# Altium PCB GameBoard_V1I1.PcbDoc (part 1 of 22) (continued)
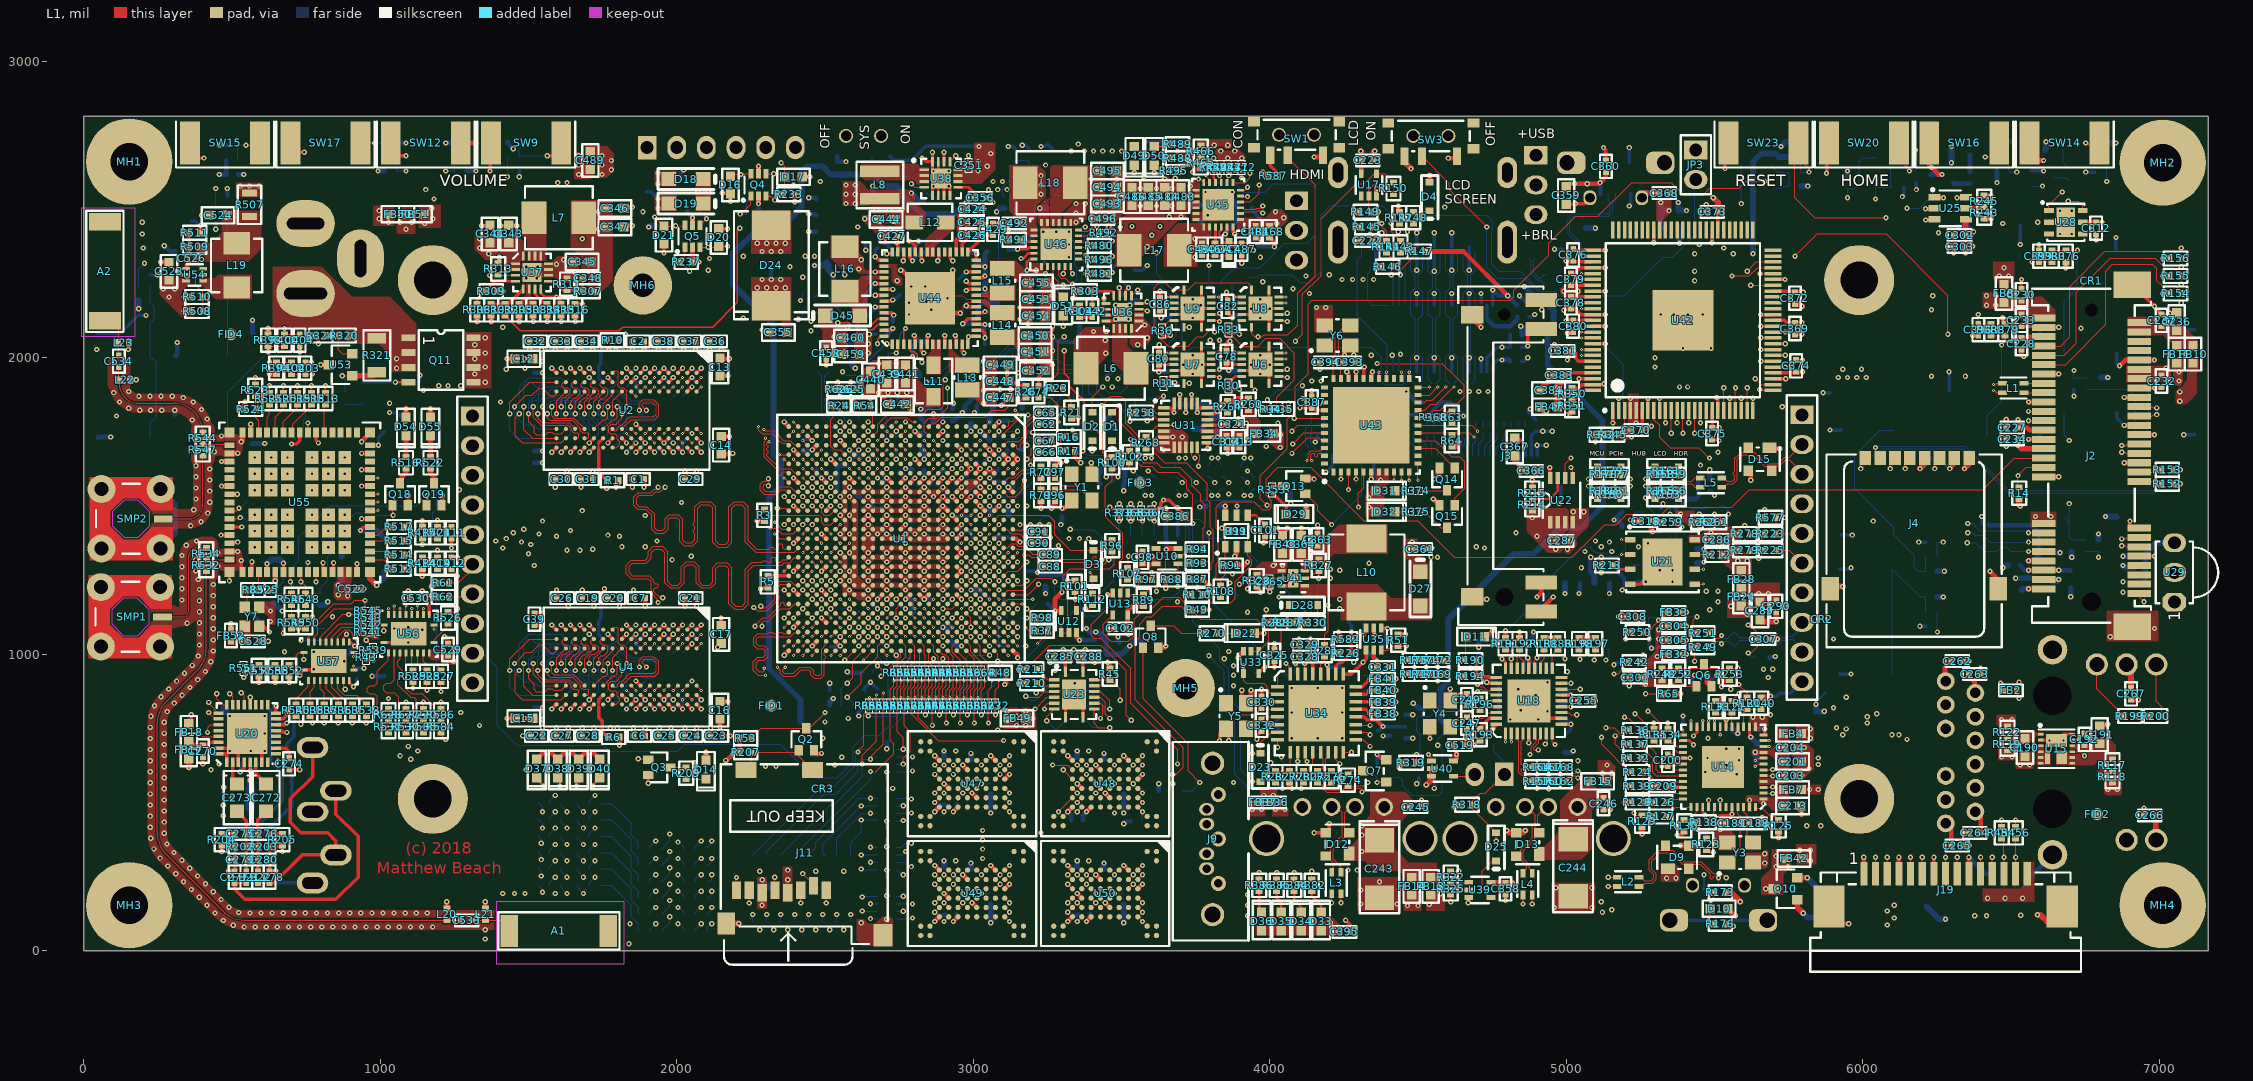
[diagram p0: L1 view]
## Design rules (kind name [scope] priority, off if disabled: settings) (continued)
ComponentClearance SDI_DATA3 [InComponent('R597') vs InComponent('R598')] p64: gap=0 collisioncheckmode=3 verticalgap=0 showdistances=FALSE
ComponentClearance SDI_CMD [InComponent('R599') vs InComponent('R600')] p65: gap=0 collisioncheckmode=3 verticalgap=0 showdistances=FALSE
ComponentClearance SDI_CLK [InComponent('R602') vs InComponent('R601')] p66: gap=0 collisioncheckmode=3 verticalgap=0 showdistances=FALSE
ComponentClearance SD2_DATA0 [InComponent('R603') vs InComponent('R604')] p67: gap=0 collisioncheckmode=3 verticalgap=0 showdistances=FALSE
ComponentClearance SD2_DATA1 [InComponent('R605') vs InComponent('R606')] p68: gap=0 collisioncheckmode=3 verticalgap=0 showdistances=FALSE
ComponentClearance SD2_DATA2 [InComponent('R607') vs InComponent('R608')] p69: gap=0 collisioncheckmode=3 verticalgap=0 showdistances=FALSE
ComponentClearance SD2_DATA3 [InComponent('R609') vs InComponent('R610')] p70: gap=0 collisioncheckmode=3 verticalgap=0 showdistances=FALSE
ComponentClearance SD2_CMD [InComponent('R611') vs InComponent('R612')] p71: gap=0 collisioncheckmode=3 verticalgap=0 showdistances=FALSE
ComponentClearance SD2_CLK [InComponent('R613') vs InComponent('R614')] p72: gap=0 collisioncheckmode=3 verticalgap=0 showdistances=FALSE
ComponentClearance SD2_WP [InComponent('R620') vs InComponent('R621')] p73: gap=0 collisioncheckmode=3 verticalgap=0 showdistances=FALSE
DiffPairsRouting DiffPairsRouting_90Ohm [InDifferentialPairClass('DIFF90')] p1: maxlimit=4.72 minlimit=3.94 mostfreqgap=3.94 toplayer_mingap=4.33 toplayer_prefgap=4.72 toplayer_minwidth=3.74 toplayer_maxwidth=3.74 toplayer_prefwidth=3.74 midlayer1_maxgap=4.33 midlayer1_prefgap=4.33 midlayer1_minwidth=3.54 midlayer1_maxwidth=3.54 midlayer1_prefwidth=3.54 midlayer2_maxgap=3.94 midlayer2_minwidth=3.94 midlayer2_maxwidth=3.94 midlayer2_prefwidth=3.94 midlayer3_maxgap=3.94 midlayer3_minwidth=3.94 midlayer3_maxwidth=3.94 midlayer3_prefwidth=3.94 midlayer4_maxgap=4.33 midlayer4_prefgap=4.33 midlayer4_minwidth=3.54 midlayer4_maxwidth=3.54 midlayer4_prefwidth=3.54 midlayer5_maxgap=3.94 midlayer5_minwidth=3.94 midlayer5_maxwidth=3.94 midlayer5_prefwidth=3.94 midlayer6_maxgap=3.94 midlayer6_minwidth=3.94 midlayer6_maxwidth=3.94 midlayer6_prefwidth=3.94 midlayer7_maxgap=3.94 midlayer7_minwidth=3.94 midlayer7_maxwidth=3.94 midlayer7_prefwidth=3.94 midlayer8_maxgap=3.94 midlayer8_minwidth=3.94 midlayer8_maxwidth=3.94 midlayer8_prefwidth=3.94 bottomlayer_mingap=4.33 bottomlayer_prefgap=4.72 bottomlayer_minwidth=3.74 bottomlayer_maxwidth=3.74 bottomlayer_prefwidth=3.74 maxuncoupledlength=0
DiffPairsRouting DiffPairsRouting_100Ohm [InDifferentialPairClass('DIFF100')] p2: maxlimit=7.68 minlimit=3.94 mostfreqgap=3.94 toplayer_mingap=6.5 toplayer_maxgap=6.5 toplayer_prefgap=6.5 toplayer_minwidth=3.35 toplayer_maxwidth=3.35 toplayer_prefwidth=3.35 midlayer1_mingap=7.68 midlayer1_prefgap=7.68 midlayer1_minwidth=3.35 midlayer1_maxwidth=3.35 midlayer1_prefwidth=3.35 midlayer2_maxgap=3.94 midlayer2_minwidth=3.94 midlayer2_maxwidth=3.94 midlayer2_prefwidth=3.94 midlayer3_maxgap=3.94 midlayer3_minwidth=3.94 midlayer3_maxwidth=3.94 midlayer3_prefwidth=3.94 midlayer4_mingap=7.68 midlayer4_prefgap=7.68 midlayer4_minwidth=3.35 midlayer4_maxwidth=3.35 midlayer4_prefwidth=3.35 midlayer5_maxgap=3.94 midlayer5_minwidth=3.94 midlayer5_maxwidth=3.94 midlayer5_prefwidth=3.94 midlayer6_maxgap=3.94 midlayer6_minwidth=3.94 midlayer6_maxwidth=3.94 midlayer6_prefwidth=3.94 midlayer7_maxgap=3.94 midlayer7_minwidth=3.94 midlayer7_maxwidth=3.94 midlayer7_prefwidth=3.94 midlayer8_maxgap=3.94 midlayer8_minwidth=3.94 midlayer8_maxwidth=3.94 midlayer8_prefwidth=3.94 bottomlayer_mingap=6.5 bottomlayer_maxgap=6.5 bottomlayer_prefgap=6.5 bottomlayer_minwidth=3.35 bottomlayer_maxwidth=3.35 bottomlayer_prefwidth=3.35 maxuncoupledlength=0
DiffPairsRouting [All] p3: maxlimit=3.94 minlimit=3.94 mostfreqgap=3.94 toplayer_minwidth=3.94 toplayer_maxwidth=3.94 toplayer_prefwidth=3.94 midlayer1_minwidth=3.94 midlayer1_maxwidth=3.94 midlayer1_prefwidth=3.94 midlayer2_minwidth=3.94 midlayer2_maxwidth=3.94 midlayer2_prefwidth=3.94 midlayer3_minwidth=3.94 midlayer3_maxwidth=3.94 midlayer3_prefwidth=3.94 midlayer4_minwidth=3.94 midlayer4_maxwidth=3.94 midlayer4_prefwidth=3.94 midlayer5_minwidth=3.94 midlayer5_maxwidth=3.94 midlayer5_prefwidth=3.94 midlayer6_minwidth=3.94 midlayer6_maxwidth=3.94 midlayer6_prefwidth=3.94 midlayer7_minwidth=3.94 midlayer7_maxwidth=3.94 midlayer7_prefwidth=3.94 midlayer8_minwidth=3.94 midlayer8_maxwidth=3.94 midlayer8_prefwidth=3.94 bottomlayer_minwidth=3.94 bottomlayer_maxwidth=3.94 bottomlayer_prefwidth=3.94 maxuncoupledlength=500
HoleSize [All] p1: absolutevalues=TRUE maxlimit=236.22 minlimit=1 maxpercent=80.000 minpercent=20.000
HoleToHoleClearance [All] p1: gap=3.94 allowstackedmicrovias=TRUE
MatchedLengths UART3 [InNetClass('UART3')] p1: tolerance=10 checknetsindiffpair=FALSE checkdiffpairvsdiffpair=TRUE checkxsignals=TRUE checkothers=TRUE
MatchedLengths SD1 [InNetClass('SD1')] p2: tolerance=10 checknetsindiffpair=FALSE checkdiffpairvsdiffpair=TRUE checkxsignals=TRUE checkothers=TRUE
MatchedLengths SD1_BOOT [InNetClass('SD1_BOOT')] p3: tolerance=10 checknetsindiffpair=FALSE checkdiffpairvsdiffpair=TRUE checkxsignals=TRUE checkothers=TRUE
MatchedLengths SD2_BOOT [InNetClass('SD2_BOOT')] p4: tolerance=10 checknetsindiffpair=FALSE checkdiffpairvsdiffpair=TRUE checkxsignals=TRUE checkothers=TRUE
MatchedLengths SD1_WIFI [InNetClass('SD1_WIFI')] p5: tolerance=10 checknetsindiffpair=FALSE checkdiffpairvsdiffpair=TRUE checkxsignals=TRUE checkothers=TRUE
MatchedLengths SD2_WIFI [InNetClass('SD2_WIFI')] p6: tolerance=10 checknetsindiffpair=FALSE checkdiffpairvsdiffpair=TRUE checkxsignals=TRUE checkothers=TRUE
MatchedLengths SD2 [InNet('SD2_DATA0') or InNet('SD2_DATA1') or InNet('SD2_DATA2') or InNet('SD2_DATA3')] p7: tolerance=10 checknetsindiffpair=FALSE checkdiffpairvsdiffpair=TRUE checkxsignals=TRUE checkothers=TRUE
MatchedLengths BOOT [InNetClass('BOOT')] p8: tolerance=10 checknetsindiffpair=FALSE checkdiffpairvsdiffpair=TRUE checkxsignals=TRUE checkothers=TRUE
MatchedLengths WIFI [InNetClass('WIFI')] p9: tolerance=10 checknetsindiffpair=FALSE checkdiffpairvsdiffpair=TRUE checkxsignals=TRUE checkothers=TRUE
MatchedLengths WL_SDIO [InNetClass('WL_SDIO')] p10: tolerance=10 checknetsindiffpair=FALSE checkdiffpairvsdiffpair=TRUE checkxsignals=TRUE checkothers=TRUE
MatchedLengths AUD3 [InNetClass('AUD3')] p11: tolerance=4450 checknetsindiffpair=FALSE checkdiffpairvsdiffpair=TRUE checkxsignals=TRUE checkothers=TRUE
MatchedLengths RGMII_TXD [InNetClass('RGMII_TXD')] p12: tolerance=39370.08 checknetsindiffpair=FALSE checkdiffpairvsdiffpair=TRUE checkxsignals=TRUE checkothers=TRUE
MatchedLengths RGMII_RXD [InNetClass('RGMII_RXD')] p13: tolerance=3110 checknetsindiffpair=FALSE checkdiffpairvsdiffpair=TRUE checkxsignals=TRUE checkothers=TRUE
MatchedLengths LVDS_DIFF [InDifferentialPair('LVDS0_CLK') and InDifferentialPair('LVDS0_CLK_R') and InDifferentialPair('LVDS0_TX0') and InDifferentialPair('LVDS0_TX1') and InDifferentialPair('LVDS0_TX2') and InDifferentialPair('LVDS0_TX3')] p14: tolerance=5 checknetsindiffpair=TRUE checkdiffpairvsdiffpair=FALSE checkxsignals=FALSE checkothers=FALSE
MatchedLengths LVDS_P [InNet('LVDS0_CLK_P') and InNet('LVDS0_TX0_P') and InNet('LVDS0_TX1_P') and InNet('LVDS0_TX2_P')] p15: tolerance=10 checknetsindiffpair=FALSE checkdiffpairvsdiffpair=TRUE checkxsignals=TRUE checkothers=TRUE
MatchedLengths LVDS_N [InNet('LVDS0_CLK_N') and InNet('LVDS0_TX0_N') and InNet('LVDS0_TX1_N') and InNet('LVDS0_TX2_N')] p16: tolerance=10 checknetsindiffpair=FALSE checkdiffpairvsdiffpair=TRUE checkxsignals=TRUE checkothers=TRUE
MatchedLengths DRAM_BANK0 [InNetClass('DRAM_BANK0')] p17: tolerance=10 checknetsindiffpair=FALSE checkdiffpairvsdiffpair=TRUE checkxsignals=TRUE checkothers=TRUE
MatchedLengths DRAM_BANK1 [InNetClass('DRAM_BANK1')] p18: tolerance=10 checknetsindiffpair=FALSE checkdiffpairvsdiffpair=TRUE checkxsignals=TRUE checkothers=TRUE
MatchedLengths DRAM_BANK2 [InNetClass('DRAM_BANK2')] p19: tolerance=10 checknetsindiffpair=FALSE checkdiffpairvsdiffpair=TRUE checkxsignals=TRUE checkothers=TRUE
MatchedLengths DRAM_BANK3 [InNetClass('DRAM_BANK3')] p20: tolerance=10 checknetsindiffpair=FALSE checkdiffpairvsdiffpair=TRUE checkxsignals=TRUE checkothers=TRUE
MatchedLengths DRAM_BANK4 [InNetClass('DRAM_BANK4')] p21: tolerance=10 checknetsindiffpair=FALSE checkdiffpairvsdiffpair=TRUE checkxsignals=TRUE checkothers=TRUE
MatchedLengths DRAM_BANK5 [InNetClass('DRAM_BANK5')] p22: tolerance=10 checknetsindiffpair=FALSE checkdiffpairvsdiffpair=TRUE checkxsignals=TRUE checkothers=TRUE
MatchedLengths DRAM_BANK6 [InNetClass('DRAM_BANK6')] p23: tolerance=10 checknetsindiffpair=FALSE checkdiffpairvsdiffpair=TRUE checkxsignals=TRUE checkothers=TRUE
MatchedLengths DRAM_BANK7 [InNetClass('DRAM_BANK7')] p24: tolerance=10 checknetsindiffpair=FALSE checkdiffpairvsdiffpair=TRUE checkxsignals=TRUE checkothers=TRUE
MatchedLengths FLASH [InNetClass('FLASH')  and not InNet('FLASH_CS0') and not InNet('FLASH_CS1') and not InNet('FLASH_CS2') and not InNet('FLASH_CS3')] p25: tolerance=514 checknetsindiffpair=FALSE checkdiffpairvsdiffpair=TRUE checkxsignals=TRUE checkothers=TRUE
MatchedLengths HDMI [InNet('MX6_HDMI_CLK_N') or InNet('MX6_HDMI_CLK_P') or  InNet('MX6_HDMI_D0_N') or InNet('MX6_HDMI_D0_P') or  InNet('MX6_HDMI_D1_N') or InNet('MX6_HDMI_D1_P') or  InNet('MX6_HDMI_D2_N') or InNet('MX6_HDMI_D2_P')] p26: tolerance=10 checknetsindiffpair=FALSE checkdiffpairvsdiffpair=TRUE checkxsignals=TRUE checkothers=TRUE
MatchedLengths LCD [InNetClass('MCU_LCD_SE') and not InNet('ACTIVE')] p27: tolerance=5 checknetsindiffpair=FALSE checkdiffpairvsdiffpair=TRUE checkxsignals=TRUE checkothers=TRUE
MatchedLengths DiffPair_DIFF100MatchedLengths [InDifferentialPairClass('DIFF100')] p28: tolerance=5 checknetsindiffpair=TRUE checkdiffpairvsdiffpair=FALSE checkxsignals=FALSE checkothers=FALSE
MatchedLengths DiffPair_DIFF90MatchedLengths [InDifferentialPairClass('DIFF90')] p29: tolerance=5 checknetsindiffpair=TRUE checkdiffpairvsdiffpair=FALSE checkxsignals=FALSE checkothers=FALSE
MinimumSolderMaskSliver [All] p1: minsoldermaskwidth=3.94
PlaneClearance [All] p1: clearance=3.94
PlaneConnect "GND to J17" [InComponent('J17')] p1: planeconnectstyle=Relief reliefexpansion=19.68 reliefentries=4 reliefconductorwidth=78.74 reliefairgap=11.81
PlaneConnect "GND to MH" [InComponent('MH1') or InComponent('MH2') or InComponent('MH3') or InComponent('MH4') or InComponent('MH5') or InComponent('MH6')] p2: planeconnectstyle=Relief reliefexpansion=11.81 reliefentries=4 reliefconductorwidth=19.68 reliefairgap=7.87
PlaneConnect [All] p3: pad.planeconnectstyle=Relief pad.reliefexpansion=11.81 pad.reliefentries=4 pad.reliefconductorwidth=19.68 pad.reliefairgap=7.87 via.planeconnectstyle=Direct via.reliefexpansion=20 via.reliefentries=4 via.reliefconductorwidth=10 via.reliefairgap=3.94
PolygonConnect "J17 Poly" [InNet('GND') and InComponent('J17')] p1: thpad.connectstyle=Relief thpad.reliefconductorwidth=78.74 thpad.reliefentries=4 thpad.polygonreliefangle="45 Angle" thpad.airgapwidth=19.68 smdpad.connectstyle=Direct smdpad.reliefconductorwidth=10 smdpad.reliefentries=4 smdpad.polygonreliefangle="90 Angle" smdpad.airgapwidth=10 via.connectstyle=Direct via.reliefconductorwidth=10 via.reliefentries=4 via.polygonreliefangle="90 Angle" via.airgapwidth=10
PolygonConnect PolygonConnect_PadDirect [InNet('+5V_JMP') or InNet('+5V_BARREL')] p2: connectstyle=Direct reliefconductorwidth=10 reliefentries=4 polygonreliefangle="90 Angle" airgapwidth=10
PolygonConnect GND [InNet('GND')] p3: thpad.connectstyle=Relief thpad.reliefconductorwidth=19.68 thpad.reliefentries=4 thpad.polygonreliefangle="45 Angle" thpad.airgapwidth=7.87 smdpad.connectstyle=Direct smdpad.reliefconductorwidth=10 smdpad.reliefentries=4 smdpad.polygonreliefangle="90 Angle" smdpad.airgapwidth=10 via.connectstyle=Direct via.reliefconductorwidth=10 via.reliefentries=4 via.polygonreliefangle="90 Angle" via.airgapwidth=10
PolygonConnect [All] p4: connectstyle=Direct reliefconductorwidth=19.68 reliefentries=4 polygonreliefangle="90 Angle" airgapwidth=7.87
RoutingVias [All] p1: holewidth=7.87 width=17.72 viastyle="Through Hole" minholewidth=3.94 minwidth=0 maxholewidth=23.62 maxwidth=31.5
SilkToSilkClearance [All] p1: silktosilkclearance=3.94
SilkToSolderMaskClearance SilkscreenOverComponentPads [IsPad] p1: minsilkscreentomaskgap=3.94 clearancetoexposedcopper=TRUE
SolderMaskExpansion [All] p1: expansion=4
Width "Width Ground" [InNet('GND')] p1: maxlimit=157.48 minlimit=7.87 preferedwidth=11.81
Width "Width Power" [InNet('+VIN') OR InNet('+1V2_ETH') OR InNet('+1V5_DDR') OR InNet('+1V375') OR InNet('+2V5') OR InNet('+3V3')] p2: maxlimit=157.48 minlimit=7.87 preferedwidth=11.81
Width [All] p3: maxlimit=157.48 minlimit=3.15 preferedwidth=3.94 minimp=50.000000 maximp=50.000000 favimp=50.000000
21 further rules are at their usual default settings.

## Classes and differential pairs
differential pair class DIFF90: PCIE_RX PCIE_TX USB0 USB0_OTG USB0_OTG_L USB1 USB1_HUB USB_BOT USB_BOT_L USB_HDR USB_HDR_L USB_LCDCTP USB_MCU USB_MCU_R USB_MPCIE USB_MPCIE_L USB_TOP USB_TOP_L USBCh_OTG USBCh_OTG_L USBDN1 USBDN2 USBDN3 USBDN4
differential pair class DIFF100: CAN CSI_CLK0 CSI_CLK0_R CSI_D0 CSI_D0_R CSI_D1 CSI_D1_R DRAM_CLK0 DRAM_CLK1 DRAM_DQS0 DRAM_DQS1 DRAM_DQS2 DRAM_DQS3 DRAM_DQS4 DRAM_DQS5 DRAM_DQS6 DRAM_DQS7 HDMI_CLK HDMI_D0 HDMI_D1 HDMI_D2 LCD_HDMI_CLK LCD_HDMI_D0 LCD_HDMI_D1 LCD_HDMI_D2 LVDS0_CLK LVDS0_CLK_R LVDS0_TX0 LVDS0_TX1 LVDS0_TX2 LVDS0_TX3 MX6_HDMI_CLK MX6_HDMI_D0 MX6_HDMI_D1 MX6_HDMI_D2 PCIE_C_TX PCIE_CLK PCIE_CLK_C SATA_C_RX SATA_C_TX SATA_RX SATA_TX TRD0 TRD1 TRD2 TRD3
net class WIFI: WIFI_CLK WIFI_CMD WIFI_DATA0 WIFI_DATA1 WIFI_DATA2 WIFI_DATA3
net class ANTENNA: ANT1 ANT1_FEED ANT1_LC ANT2 ANT2_FEED ANT2_LC
net class BOOT_SELECT1: BOOT_CFG_00 BOOT_CFG_01 BOOT_CFG_02 BOOT_CFG_03 BOOT_CFG_04 BOOT_CFG_05 BOOT_CFG_06 BOOT_CFG_07 BOOT_CFG_08 BOOT_CFG_09 BOOT_CFG_10 BOOT_CFG_11 BOOT_CFG_12 BOOT_CFG_13 BOOT_CFG_14 BOOT_CFG_15 SRC_BOOT_CFG_00 SRC_BOOT_CFG_01 SRC_BOOT_CFG_02 SRC_BOOT_CFG_03 SRC_BOOT_CFG_04 SRC_BOOT_CFG_05 SRC_BOOT_CFG_06 SRC_BOOT_CFG_07 SRC_BOOT_CFG_08 SRC_BOOT_CFG_09 SRC_BOOT_CFG_10 SRC_BOOT_CFG_11 SRC_BOOT_CFG_12 SRC_BOOT_CFG_13 SRC_BOOT_CFG_14 SRC_BOOT_CFG_15
net class BOOT_SELECT2: BOOT_CFG_16 BOOT_CFG_17 BOOT_CFG_18 BOOT_CFG_19 BOOT_CFG_20 BOOT_CFG_21 BOOT_CFG_22 BOOT_CFG_23 BOOT_CFG_24 BOOT_CFG_25 BOOT_CFG_26 BOOT_CFG_27 BOOT_CFG_28 BOOT_CFG_29 BOOT_CFG_30 BOOT_CFG_31 SRC_BOOT_CFG_16 SRC_BOOT_CFG_17 SRC_BOOT_CFG_18 SRC_BOOT_CFG_19 SRC_BOOT_CFG_20 SRC_BOOT_CFG_21 SRC_BOOT_CFG_22 SRC_BOOT_CFG_23 SRC_BOOT_CFG_24 SRC_BOOT_CFG_25 SRC_BOOT_CFG_26 SRC_BOOT_CFG_27 SRC_BOOT_CFG_28 SRC_BOOT_CFG_29 SRC_BOOT_CFG_30 UART3_RTS
net class SD2_BOOT: SD2_CLK_BOOT SD2_CMD_BOOT SD2_DATA0_BOOT SD2_DATA1_BOOT SD2_DATA2_BOOT SD2_DATA3_BOOT
net class SD1_WIFI: SD1_CLK_WIFI SD1_CMD_WIFI SD1_DATA0_WIFI SD1_DATA1_WIFI SD1_DATA2_WIFI SD1_DATA3_WIFI
net class SD2_WIFI: SD2_CLK_WIFI SD2_CMD_WIFI SD2_DATA0_WIFI SD2_DATA1_WIFI SD2_DATA2_WIFI SD2_DATA3_WIFI
net class SD1_BOOT: SD1_CLK_BOOT SD1_CMD_BOOT SD1_DATA0_BOOT SD1_DATA1_BOOT SD1_DATA2_BOOT SD1_DATA3_BOOT
net class BOOT: BOOT_CLK BOOT_CMD BOOT_DATA0 BOOT_DATA1 BOOT_DATA2 BOOT_DATA3
net class SD1: SD1_CLK SD1_CMD SD1_DATA0 SD1_DATA1 SD1_DATA2 SD1_DATA3
net class WL_SDIO: WL_SDIO_CLK WL_SDIO_CMD WL_SDIO_D0 WL_SDIO_D1 WL_SDIO_D2 WL_SDIO_D3
net class BLE: BT_AUD_CLK BT_AUD_FSYNC BT_AUD_IN BT_AUD_OUT BT_CSPI_RXD BT_CSPI_TXC BT_CSPI_TXD BT_CSPI_TXFS BT_HCI_CTS BT_HCI_RTS BT_HCI_RX BT_HCI_TX BT_UART_CTS BT_UART_RTS BT_UART_RXD BT_UART_TXD
net class "[26] - BLE/WIFI": +1V8_WIFI +1V8_WIFI_OSO +3V3 +3V3_HDR +3V3_WIFI +VIN_4V2 ANT1 ANT1_FEED ANT1_LC ANT1_SMP ANT2 ANT2_FEED ANT2_LC ANT2_SMP BT_AUD_CLK BT_AUD_FSYNC BT_AUD_IN BT_AUD_OUT BT_CSPI_RXD BT_CSPI_TXC BT_CSPI_TXD BT_CSPI_TXFS BT_EN BT_EN_D BT_EN_LED BT_EN_R BT_HCI_CTS BT_HCI_RTS BT_HCI_RX BT_HCI_TX BT_UART_CTS BT_UART_DBG BT_UART_RTS BT_UART_RXD BT_UART_TXD CPU_BT_EN CPU_WIFI_LS_EN CPU_WL_EN CSPI2_RXD CSPI2_TXC CSPI2_TXD CSPI2_TXFS EN_1V8WIFI FB_1V8WIFI GND NetA?_1 NetA?_2 NetR512_2 NetR513_1 NetR514_2 NetR515_2 NetR517_2 NetR518_1 NetR519_1 NetR520_1 NetR521_1 NetR523_1 NetR533_2 NetR535_2 NetR536_2 NetR537_2 NetR538_2 NetR540_2 NetR551_2 NetR675_1 NetU?_4 NetU?_5 NetU?_6 NetU?_7 NetU?_8 NetU?_9 NetU?_11 NetU?_14 NetU?_15 NetU?_21 NetU?_22 NetU?_62 PWR_1V8WIFI SD1_CLK_WIFI SD1_CMD_WIFI SD1_DATA0_WIFI SD1_DATA1_WIFI SD1_DATA2_WIFI SD1_DATA3_WIFI SD2_BT_EN SD2_CLK_WIFI SD2_CMD_WIFI SD2_DATA0_WIFI SD2_DATA1_WIFI SD2_DATA2_WIFI SD2_DATA3_WIFI SLOW_CLK SW_1V8WIFI UART3_CTS UART3_RTS UART3_RXD UART3_TXD UART5_CTS UART5_RTS UART5_RXD UART5_TXD WIFI_CLK WIFI_CMD WIFI_DATA0 WIFI_DATA1 WIFI_DATA2 WIFI_DATA3 WIFI_EXT_32K_CLK WIFI_IRQ WL_EN WL_EN_D WL_EN_LED WL_IRQ WL_RX WL_SDIO_CLK WL_SDIO_CMD WL_SDIO_D0 WL_SDIO_D1 WL_SDIO_D2 WL_SDIO_D3 WL_TX WL_UART_DBG XTAL_32K_CLK XTALOSC_REF_CLK_32K
component class "[26] - BLE, WIFI": A1 A2 A? C522 C523 C524 C525 C526 C527 C528 C529 C530 C531 C532 C533 C534 C? D54 D55 D? FB50 FB51 FB52 FB? L19 L20 L21 L22 L23 Q18 Q19 Q? R43 R83 R220 R507 R508 R509 R510 R511 R512 R513 R514 R515 R516 R517 R518 R519 R520 R521 R522 R523 R524 R525 R526 R527 R528 R529 R530 R531 R532 R533 R534 R535 R536 R537 R538 R539 R540 R541 R542 R543 R544 R545 R546 R547 R548 R549 R550 R551 R552 R553 R554 R555 R556 R557 R558 R562 R563 R564 R565 R566 R567 R568 R569 R570 R571 R572 R573 R584 R585 R586 R623 R624 R627 R628 R675 R676 R? SMP1 SMP2 TP57 TP58 TP59 TP60 U54 U55 U56 U57 U? Y7 Y?
net class HDMI_PORT: HDMI_CLK_N HDMI_CLK_P HDMI_D0_N HDMI_D0_P HDMI_D1_N HDMI_D1_P HDMI_D2_N HDMI_D2_P
net class HDMI_LCD: LCD_HDMI_CLK_N LCD_HDMI_CLK_P LCD_HDMI_D0_N LCD_HDMI_D0_P LCD_HDMI_D1_N LCD_HDMI_D1_P LCD_HDMI_D2_N LCD_HDMI_D2_P
net class "[07] - CPU - CSI/FLASH": +3V3 +3V3_FLASH CSI_CLK0_N CSI_CLK0_P CSI_D0_N CSI_D0_P CSI_D1_N CSI_D1_P CSI_REXT FLASH_ALE FLASH_CLE FLASH_CS0 FLASH_CS1 FLASH_CS2 FLASH_CS3 FLASH_DATA0 FLASH_DATA1 FLASH_DATA2 FLASH_DATA3 FLASH_DATA4 FLASH_DATA5 FLASH_DATA6 FLASH_DATA7 FLASH_PT0 FLASH_PT1 FLASH_PT2 FLASH_PT3 FLASH_RB0 FLASH_RE_B FLASH_WE_B FLASH_WP_B GND NetU1_E1 NetU1_E2 NetU1_F1 NetU1_F2 NetU1_F24 NetU1_F25 NetU1_G24 NetU1_G25 NetU1_H22 NetU1_H23 NetU1_H25 NetU1_J21 NetU1_J22 NetU1_J25 NetU1_K21 NetU1_K22 NetU1_K23 NetU1_K24 NetU1_K25 NetU1_L20 NetU1_L21 NetU1_L22 NetU1_L23 NetU1_L24 NetU1_L25 NetU1_M20 NetU1_M21 NetU1_M22 NetU1_M23 NetU1_M24 NetU1_N22 NetU1_N23 NetU47_A1 NetU47_A2 NetU47_A9 NetU47_A10 NetU47_B1 NetU47_B9 NetU47_B10 NetU47_D6 NetU47_D7 NetU47_D8 NetU47_E3 NetU47_E4 NetU47_E5 NetU47_E6 NetU47_E7 NetU47_E8 NetU47_F3 NetU47_F4 NetU47_F5 NetU47_F6 NetU47_F8 NetU47_G3 NetU47_G6 NetU47_G7 NetU47_G8 NetU47_H3 NetU47_H5 NetU47_H6 NetU47_H7 NetU47_J3 NetU47_J5 NetU47_L1 NetU47_L2 NetU47_L9 NetU47_L10 NetU47_M1 NetU47_M2 NetU47_M9 NetU47_M10 NetU48_A1 NetU48_A2 NetU48_A9 NetU48_A10 NetU48_B1 NetU48_B9 NetU48_B10 NetU48_D6 NetU48_D7 NetU48_D8 NetU48_E3 NetU48_E4 NetU48_E5 NetU48_E6 NetU48_E7 NetU48_E8 NetU48_F3 NetU48_F4 NetU48_F5 NetU48_F6 NetU48_F8 NetU48_G3 NetU48_G6 NetU48_G7 NetU48_G8 NetU48_H3 NetU48_H5 NetU48_H6 NetU48_H7 NetU48_J3 NetU48_J5 NetU48_L1 NetU48_L2 NetU48_L9 NetU48_L10 NetU48_M1 NetU48_M2 NetU48_M9 NetU48_M10 NetU49_A1 NetU49_A2 NetU49_A9 NetU49_A10 NetU49_B1 NetU49_B9 NetU49_B10 NetU49_D6 NetU49_D7 NetU49_D8 NetU49_E3 NetU49_E4 NetU49_E5 NetU49_E6 NetU49_E7 NetU49_E8 NetU49_F3 NetU49_F4 NetU49_F5 NetU49_F6 NetU49_F8 NetU49_G3 NetU49_G6 NetU49_G7 NetU49_G8 NetU49_H3 NetU49_H5 NetU49_H6 NetU49_H7 NetU49_J3 NetU49_J5 NetU49_L1 NetU49_L2 NetU49_L9 NetU49_L10 NetU49_M1 NetU49_M2 NetU49_M9 NetU49_M10 NetU50_A1 NetU50_A2 NetU50_A9 NetU50_A10 NetU50_B1 NetU50_B9 NetU50_B10 NetU50_D6 NetU50_D7 NetU50_D8 NetU50_E3 NetU50_E4 NetU50_E5 NetU50_E6 NetU50_E7 NetU50_E8 NetU50_F3 NetU50_F4 NetU50_F5 NetU50_F6 NetU50_F8 NetU50_G3 NetU50_G6 NetU50_G7 NetU50_G8 NetU50_H3 NetU50_H5 NetU50_H6 NetU50_H7 NetU50_J3 NetU50_J5 NetU50_L1 NetU50_L2 NetU50_L9 NetU50_L10 NetU50_M1 NetU50_M2 NetU50_M9 NetU50_M10
component class "[06] - CPU - ETHERNET, SATA": C87 C88 C89 C90 C91 C92 C93 R37 R38 R39 R40 R41
net class "[30] - BATTERY CHARGER": +BAT +PULLUP +SYS +VBUS BAT1 BAT2 CHARGE_C\E\ CHARGE_C\E\2 CHARGE_INT CHARGE_INT2 DSEL GND I2C2_SCL I2C2_SDA ILIM1 ILIM2 NetC480_1 NetC492_1 NetD49_2 NetD50_2 NetD51_2 NetJP3_2 NetR467_1 NetR482_1 NetR482_2 NetR487_1 NetR491_1 NetR493_1 NetR524_1 OTG/IUSB1 OTG/IUSB2 PMID1 PMID2 PowerGood2 PSEL2 REGN1 REGN2 Status1 Status2 SW1 SW2 SYS2 TS USBCh_OTG_N USBCh_OTG_P VBUS2
net class "[29] - PWR PMIC": +0V75_DDR_VTT +1V2_PMIC +1V5_DDR +1V8_AUDIO +1V375_CORE +1V375_SOC +2V5 +3V0_ALWAYS +3V0_VSNVS +3V3 +3V3_LDO +5V +DDR_VREF +DDR_VREF_PMIC +PMIC_LICELL +PMIC_VCORE +PMIC_VCOREREF +PWRON_1V375_OPT +VCOREDIG +VIN_4V2 GND I2C1_SCL I2C1_SCL_PMIC I2C1_SDA I2C1_SDA_PMIC NetU47_33 PMIC_INT PMIC_SDWNB PMIC_STBY_REQ PMIC_VDDOTP PMIC_VHALF POK_PMIC PWRON SW1CFB SW1CLX SW1LX SW2LX SW3LX SW4LX SWBSTLX
net class "[28] - PWR IN/MECH": 5V_IN_CTRL +5V_BARREL +5V_JMP +5V_USB_OTG +5V_USB_OTG_Q +SYS +USB_CHARGE +VBUS +VIN_4V2 +VIN_5V GND NetJ17_4 NetQ12_1 NetR320_1 NetR321_1 NetR677_2 NetR679_2 OTG_ENABLE OTG_ENABLE_HZ PWR_SEL PWR_SEL_B RSTOUTn SYS_ENABLE SYS_PG SYS_SS SYS_SW USB0_ID USB0_ID_BUFF USB0_ID_BUFF_EN USB0_ID_BUFF_EN_R USB_OTG_EN USBCh_OTG_L_N USBCh_OTG_L_P USBCh_OTG_N USBCh_OTG_P
net class "[27] - PWR 1V375 OPT/3V3 OPT": +1V375_CORE +1V375_SOC +3V0_ALWAYS +3V3_HDR +PWRON_1V375_OPT +VIN_4V2 COMP_1V375 COMP_3V3_HDR EN_1V375 EN_3V3_HDR FB_1V375 FB_3V3_HDR FS_1V375 FS_3V3_HDR GND NetC342_1 NetC349_1 PHASE_1V375 PHASE_3V3_HDR POK_1V375_OPT POK_3V3_OPT POK_PMIC SS_1V375 SS_3V3_HDR SYNC_1V375 SYNC_3V3_HDR
net class "[26] - LEDS/BUTTONS": +3V0_VSNVS +3V3 +3V3_MCU BUMP_L1 BUMP_L2 BUMP_R1 BUMP_R2 BUT_L1 BUT_L2 BUT_LD BUT_LL BUT_LR BUT_LU BUT_R1 BUT_R2 BUT_RD BUT_RL BUT_RR BUT_RU BUT_SEL_L1 BUT_SEL_L2 BUT_SEL_R1 BUT_SEL_R2 GND MCU_BTN MOV_LD MOV_LL MOV_LR MOV_LU MOV_RD MOV_RL MOV_RR MOV_RU NetC413_1 POK_SYS PWR_LED_GRN_D PWR_LED_GRN_Q PWRON RST_BTN_HDR RSTINn SEL_L1 SEL_L2 SEL_R1 SEL_R2 USER_BTN_1 USER_BTN_1_R USER_BTN_2 USER_BTN_2_R USER_BTN_3 USER_BTN_3_R USER_LED USER_LED_1 USER_LED_2 USER_LED_3 USER_LED_4 USER_LED_5 USER_LED_6 USER_LED_7 USER_LED_8 USER_LED_CPU_D USER_LED_CPU_Q USER_LED_D_1 USER_LED_D_2 USER_LED_D_3 USER_LED_D_4 USER_LED_D_5 USER_LED_D_6 USER_LED_D_7 USER_LED_D_8
net class "[25] - LCD/TSC": 3V3_AVDD 3V3_DVDD 3V3_OVDD 3V3_PVDD +3V3 +VIN_5V ACTIVE BL_CTRL BL_PWM BUMP_L1 BUMP_L2 BUMP_R1 BUMP_R2 CTP_INT# CTP_RST# CTP_SCL CTP_SDA DRVSTR F_VIN GND GNDPAD_OPT I2C3_SCL I2C3_SDA LCD_B0 LCD_B1 LCD_B2 LCD_B3 LCD_B4 LCD_B5 LCD_B6 LCD_B7 LCD_CTP_INT# LCD_CTP_RST# LCD_CTP_SCL LCD_CTP_SDA LCD_DE LCD_G0 LCD_G1 LCD_G2 LCD_G3 LCD_G4 LCD_G5 LCD_G6 LCD_G7 LCD_HDMI_CLK_N LCD_HDMI_CLK_P LCD_HDMI_D0_N LCD_HDMI_D0_P LCD_HDMI_D1_N LCD_HDMI_D1_P LCD_HDMI_D2_N LCD_HDMI_D2_P LCD_HSYNC LCD_PCLK LCD_R0 LCD_R1 LCD_R2 LCD_R3 LCD_R4 LCD_R5 LCD_R6 LCD_R7 LCD_SHUTOFF# LCD_VSYNC LCD_XTALIN LCD_XTALOUT LED_A LED_K LED_SW MOV_LD MOV_LL MOV_LR MOV_LU MOV_RD MOV_RL MOV_RR MOV_RU NetC365_1 NetD29_1 NetD31_1 NetD32_1 NetLCD1_35 NetQ13_3 NetQ14_1 NetQ14_3 NetQ15_1 NetQ15_3 NetU45_40 NetU45_41 NetU45_42 NetU45_49 NetU45_50 NetU45_51 NetU45_52 NetU45_53 NetU45_54 NetU45_55 NetU45_56 NetU45_59 NetU45_60 NetU45_61 NetU45_62 NetU45_63 NetU45_64 NetU45_65 NetU45_66 NetU45_69 NetU45_70 NetU45_71 NetU45_72 NetU45_73 NetU45_74 NetU45_75 NetU45_77 NetU45_96 NetU46_1 NetU46_13 NetU46_25 NetU46_34 NetU46_35 NetU46_36 NetU46_44 OCK_INV P\D\ P\D\O\ QB0 QB1 QB2 QB3 QB4 QB5 QB6 QB7 QDE QE0 QE1 QE2 QE3 QE4 QE5 QE6 QE7 QHSYNC QODCK QR0 QR1 QR2 QR3 QR4 QR5 QR6 QR7 QVSYNC SEL_L1 SEL_L2 SEL_R1 SEL_R2 TS_X+ TS_X- TS_Y+ TS_Y- USB_LCDCTP_N USB_LCDCTP_P VPP/MCLR
net class "[24] - HEADERS/UART": +3V3 +3V3_HDR +3V3_HDR_J1 +5V +5V_FTDI +5V_HDR_J1 +VIN_5V BOOT_CFG_00 BOOT_CFG_01 BOOT_CFG_02 BOOT_CFG_03 BOOT_CFG_04 BOOT_CFG_05 BOOT_CFG_06 BOOT_CFG_07 BOOT_CFG_08 BOOT_CFG_09 BOOT_CFG_10 BOOT_CFG_11 BOOT_CFG_12 BOOT_CFG_13 BOOT_CFG_14 BOOT_CFG_15 BOOT_CFG_16 BOOT_CFG_17 BOOT_CFG_18 BOOT_CFG_19 BOOT_CFG_20 BOOT_CFG_21 BOOT_CFG_22 BOOT_CFG_23 BOOT_CFG_24 BOOT_CFG_25 BOOT_CFG_26 BOOT_CFG_27 BOOT_CFG_28 BOOT_CFG_29 BOOT_CFG_30 BOOT_CFG_31 CAN_N CAN_P CSPI1_CLK CSPI1_CS0 CSPI1_CS1 CSPI1_MISO CSPI1_MOSI GND I2C1_SCL I2C1_SCL_CON I2C1_SCL_MCU I2C1_SDA I2C1_SDA_CON I2C1_SDA_MCU I2C2_SCL I2C2_SDA I2C3_SCL I2C3_SDA RST_BTN_HDR RSTOUTn SRC_BOOT_CFG_00 SRC_BOOT_CFG_01 SRC_BOOT_CFG_02 SRC_BOOT_CFG_03 SRC_BOOT_CFG_04 SRC_BOOT_CFG_05 SRC_BOOT_CFG_06 SRC_BOOT_CFG_07 SRC_BOOT_CFG_08 SRC_BOOT_CFG_09 SRC_BOOT_CFG_10 SRC_BOOT_CFG_11 SRC_BOOT_CFG_12 SRC_BOOT_CFG_13 SRC_BOOT_CFG_14 SRC_BOOT_CFG_15 SRC_BOOT_CFG_16 SRC_BOOT_CFG_17 SRC_BOOT_CFG_18 SRC_BOOT_CFG_19 SRC_BOOT_CFG_20 SRC_BOOT_CFG_21 SRC_BOOT_CFG_22 SRC_BOOT_CFG_23 SRC_BOOT_CFG_24 SRC_BOOT_CFG_25 SRC_BOOT_CFG_26 SRC_BOOT_CFG_27 SRC_BOOT_CFG_28 SRC_BOOT_CFG_29 SRC_BOOT_CFG_30 UART1_CTS UART1_CTS_FTDI UART1_RTS UART1_RTS_FTDI UART1_RXD UART1_RXD_FTDI UART1_TXD UART1_TXD_FTDI UART3_RTS USB_HDR_L_N USB_HDR_L_P USB_HDR_N USB_HDR_P
net class "[23] - SENSORS/CAN/IR": +3V3 +3V3_COMP +3V3_COMP_IO +3V3_GYRO +3V3_GYRO_IO +3V3_IR +5V +GYRO_VREGD +VCC_CAN CAN_N CAN_P COMP_BYP COMP_C1 COMP_CRST COMP_INT COMP_INT1 COMP_INT2 COMP_RST COMP_SA1 FLEXCAN1_RX FLEXCAN1_RX_BUFF FLEXCAN1_STBY FLEXCAN1_STBY_Q FLEXCAN1_TX FLEXCAN1_TX_BUFF GND GYRO_CS_B GYRO_INT GYRO_INT1 GYRO_PWR_CTRL GYRO_RST I2C1_SCL I2C1_SDA I2C2_SCL I2C2_SDA IR_RCV NetC322_2 NetU28_3 NetU28_4 NetU32_1 RSTOUTn SPLIT SPLIT_R TEMP_ADD0 TEMP_ALERT
net class "[22] - SD CARE/SPI/FLASH/EEPROM": +3V3 BOOT_CLK BOOT_CMD BOOT_DATA0 BOOT_DATA1 BOOT_DATA2 BOOT_DATA3 CSPI3_1DIR CSPI3_2DIR CSPI3_CLK CSPI3_CS0 CSPI3_CS2 CSPI3_MCU_CLK CSPI3_MCU_CS0 CSPI3_MCU_ENn CSPI3_MCU_MISO CSPI3_MCU_MOSI CSPI3_MISO CSPI3_MOSI EEPROM_WP GND I2C1_SCL I2C1_SDA NetD14_1 NetQ3_3 NetR212_2 NetR213_1 SD1_CLK_BOOT SD1_CMD_BOOT SD1_DATA0_BOOT SD1_DATA1_BOOT SD1_DATA2_BOOT SD1_DATA3_BOOT SD2_ACT SD2_CD SD2_CDn SD2_CLK_BOOT SD2_CMD_BOOT SD2_DATA0_BOOT SD2_DATA1_BOOT SD2_DATA2_BOOT SD2_DATA3_BOOT SD2_WP_BOOT
net class "[21] - AUDIO": +1V5_DDR +1V8_AUDIO +3V3 +VDDA +VDDD +VDDIO AUD3_CLK AUD3_RXD AUD3_TXC AUD3_TXD AUD3_TXFS AUD_HP_L AUD_HP_R AUD_HP_VGND AUD_VAG FIL_HP_OUTL FIL_HP_OUTR FIL_MIC_IN GND HP_OUT_L HP_OUT_R I2C2_SCL I2C2_SDA MIC_BIAS MIC_IN MIC_IN_C MIC_LINEIN_L MIC_LINEIN_R NetC275_2 NetC276_2 NetJ10_5 NetJ10_7 NetU20_8 NetU20_9 NetU20_11 NetU20_12 NetU20_17 NetU20_18 NetU20_19 NetU20_22 NetU20_28
net class "[20] - ETHERNET/SATA": +3V3 ENET_LED_LINK ENET_LED_RX ENET_LED_RX_G ENET_LED_RX_O GND SATA_RX_N SATA_RX_P SATA_TX_N SATA_TX_P TCT0 TCT1 TCT2 TCT3 TRD0_N TRD0_P TRD1_N TRD1_P TRD2_N TRD2_P TRD3_N TRD3_P
net class "[19] - USB": +3V3 +3V3_USB_HUB +5V +5V_USB_BOT +5V_USB_OTG +5V_USB_TOP +VIN_5V GND HUB_CFG_SEL0 HUB_CFG_SEL1 HUB_CRFILT HUB_LED HUB_NON_REM1 HUB_PLLFILT HUB_RBIAS HUB_RESETn HUB_VBUS_DET HUB_XTALIN HUB_XTALOUT "LOCAL_PWR / NON_REM0" NetU18_18 NetU18_20 RSTOUTn USB0_ID USB0_N USB0_OTG_L_N USB0_OTG_L_P USB0_OTG_N USB0_OTG_P USB0_P USB1_HUB_N USB1_HUB_P USB1_N USB1_P USB_BOT_L_N USB_BOT_L_P USB_BOT_N USB_BOT_P USB_HDR_N USB_HDR_P USB_LCDCTP_N USB_LCDCTP_P USB_MCU_N USB_MCU_P USB_MPCIE_N USB_MPCIE_OC USB_MPCIE_P USB_TOP_L_N USB_TOP_L_P USB_TOP_N USB_TOP_P USBDN1_N USBDN1_OC USBDN1_P USBDN1_PWR_EN USBDN2_N USBDN2_OC USBDN2_P USBDN2_PWR_EN USBDN3_N USBDN3_OC USBDN3_P USBDN4_N USBDN4_P
net class "[18] - PCIE MINI": +1V5_DDR +1V5_MPCIE +3V3 +3V3_MPCIE +5V +5V_MPCIE +MPCIE_SIM_PWR +MPCIE_SIM_VPP +VIN_5V GND I2C2_SCL I2C2_SDA LED_MPCIE_WLAN LED_MPCIE_WPAN LED_MPCIE_WWAN MPCIE_SIM_C4 MPCIE_SIM_C4_R MPCIE_SIM_C8 MPCIE_SIM_C8_R MPCIE_SIM_CLK MPCIE_SIM_DATA MPCIE_SIM_RST NetD5_1 NetD6_1 NetD7_1 NetJ2_3 NetJ2_5 NetJ2_7 NetJ2_45 NetJ2_47 PCIE_CLK_N PCIE_CLK_P PCIE_RSTn PCIE_RX_N PCIE_RX_P PCIE_TX_N PCIE_TX_P PCIE_WAKE PCIE_WDISn USB_MPCIE_L_N USB_MPCIE_L_P USB_MPCIE_N USB_MPCIE_P
net class "[17] - LVDS/CSI": +3V3 +VDD_CSI CSI_CLK0_N CSI_CLK0_P CSI_CLK0_R_N CSI_CLK0_R_P CSI_D0_N CSI_D0_P CSI_D0_R_N CSI_D0_R_P CSI_D1_N CSI_D1_P CSI_D1_R_N CSI_D1_R_P CSI_GPIO0 CSI_GPIO1 GND I2C2_CSI_SCL I2C2_CSI_SDA I2C2_SCL I2C2_SDA LVDS0_CLK_N LVDS0_CLK_P LVDS0_CLK_R_N LVDS0_CLK_R_P LVDS0_TX0_N LVDS0_TX0_P LVDS0_TX1_N LVDS0_TX1_P LVDS0_TX2_N LVDS0_TX2_P LVDS0_TX3_N LVDS0_TX3_P
net class "[16] - HDMI": +3V3 +3V3_HDMI +5V +5V_HDMI_CON GND HDMI_CEC_CON HDMI_CEC_IN HDMI_CLK_N HDMI_CLK_P HDMI_D0_N HDMI_D0_P HDMI_D1_N HDMI_D1_P HDMI_D2_N HDMI_D2_P HDMI_ESD_BYP HDMI_HPD HDMI_HPD_BUFF HDMI_HPD_CON HDMI_SCL_CON HDMI_SCL_CON_R HDMI_SDA_CON HDMI_SDA_CON_R I2C2_SCL I2C2_SDA NetD4_1 NetJ1_14 NetU17_1
net class "[15] - ETHERNET PHY": +1V2_ETH +1V2_ETH_AVDDL +1V2_ETH_AVDDL_PLL +1V2_ETH_DVDDL +1V2_PMIC +1V2_REG +1V375_CORE +2V5 +2V5_ETH_DVDDH +3V3 +3V3_ETH_AVDDH +VIN_4V2 +VIN_ETH CFF ENET_LED_LINK ENET_LED_RX ENET_REF_CLK ENET_REF_CLK_R ETH_ISET ETH_OSCI_25MHz ETH_OSCO_25MHz GND LED1 LED2 NetU14_43 POK_SYS RGMII_INT RGMII_MDC RGMII_MDIO RGMII_R_MDC RGMII_R_MDIO RGMII_R_RXCLK RGMII_RSTn RGMII_RXCLK RGMII_RXD0 RGMII_RXD1 RGMII_RXD2 RGMII_RXD3 RGMII_RXDV RGMII_TXCLK RGMII_TXD0 RGMII_TXD1 RGMII_TXD2 RGMII_TXD3 RGMII_TXEN SW_EP TRD0_N TRD0_P TRD1_N TRD1_P TRD2_N TRD2_P TRD3_N TRD3_P
net class "[14] - MCU": +3V3 +3V3_LDO +3V3_MCU +BAT +SYS +VIN_4V2 +VIN_5V ANALOG_IN_0 ANALOG_IN_0_SW ANALOG_IN_1 ANALOG_IN_2 ANALOG_IN_3 BTN_OR_USER_LED_4 CPU_GPIO0 CPU_GPIO1 CPU_GPIO2 CSPI3_MCU_CLK CSPI3_MCU_CS0 CSPI3_MCU_MISO CSPI3_MCU_MOSI GND I2C1_SCL_MCU I2C1_SDA_MCU MCU_BTN MCU_GPIO0 MCU_GPIO1 MCU_GPIO2 MCU_ISPn MCU_RSTINn MCU_RSTINn_BUFF MCU_RSTOUTn MCU_SWDIO MCU_SWDIO_SEL MCU_XTALIN MCU_XTALOUT NetQ7_3 NetQ8_3 PMIC_STBY_REQ RSTOUTn STBY_OR_USER_LED_3 TS_X+ TS_X+_B TS_X- TS_X-_B TS_Y+ TS_Y+_B TS_Y- TS_Y-_B UART2_RXD UART2_TXD USB_CONNECT_OR_USER_LED_2 USB_CONNECTn USB_MCU_N USB_MCU_P USB_MCU_R_N USB_MCU_R_P USER_LED_1 USER_LED_2 USER_LED_3 USER_LED_4 USER_LED_MCU USER_LED_MCU_D
net class "[13] - CPU - UNUSED": NetU1_A9 NetU1_A10 NetU1_A11 NetU1_B9 NetU1_B10 NetU1_B11 NetU1_C20 NetU1_D20 NetU1_E25 NetU1_F18 NetU1_G1 NetU1_G2 NetU1_G4 NetU1_H1 NetU1_H2 NetU1_H3 NetU1_H4 NetU1_H24 NetU1_J19 NetU1_J20 NetU1_J23 NetU1_J24 NetU1_K20 NetU1_L1 NetU1_L3 NetU1_L4 NetU1_L6 NetU1_M2 NetU1_M4 NetU1_M5 NetU1_M6 NetU1_N5 NetU1_N6 NetU1_P4 NetU1_P5 NetU1_P6 NetU1_R3 NetU1_R5 NetU1_U20 NetU1_W6 NetU1_W20 NetU1_W21
net class "[12] - CPU - POWER": +1V1_NVCC_PLL_OUT +1V1_VDDSOC_CAP +1V2_VDD_ARM_CAP +1V5_DDR +1V375_CORE +1V375_SOC +2V5 +2V5_VDDHIGH_VPH +3V0_ALWAYS +3V3 +NVCC_CSI +NVCC_ENET +NVCC_MIPI +NVCC_RGMII +VDD_SNVS_CAP +VDDPU GND NetU1_C8
net class "[10] - CPU - GPIO/PWM/LEDS/BUTTONS": +3V3 BL_PWM CHARGE_C\E\ CHARGE_INT COMP_INT CPU_GPIO0 CPU_GPIO1 CPU_GPIO2 CSI_GPIO0 CSI_GPIO1 GYRO_INT IR_RCV MCU_ISPn MCU_RSTINn MCU_SWDIO MCU_SWDIO_SEL TEMP_ALERT USER_BTN_1 USER_BTN_2 USER_BTN_3 USER_LED USER_LED_1 USER_LED_2 USER_LED_3 USER_LED_4 USER_LED_5 USER_LED_6 USER_LED_7 USER_LED_8 VPP/MCLR
net class "[09] - CPU - SD/AUDIO/I2C/CAN": +3V3 AUD3_CLK AUD3_CLK_R AUD3_RXD AUD3_TXC AUD3_TXC_R AUD3_TXD AUD3_TXFS CPU_BT_EN CPU_WIFI_LS_EN CPU_WL_EN FLEXCAN1_RX FLEXCAN1_STBY FLEXCAN1_TX I2C1_SCL I2C1_SDA I2C2_SCL I2C2_SDA I2C3_SCL I2C3_SDA SD1_CLK SD1_CLK_BOOT SD1_CLK_WIFI SD1_CMD SD1_CMD_BOOT SD1_CMD_WIFI SD1_DATA0 SD1_DATA0_BOOT SD1_DATA0_WIFI SD1_DATA1 SD1_DATA1_BOOT SD1_DATA1_WIFI SD1_DATA2 SD1_DATA2_BOOT SD1_DATA2_WIFI SD1_DATA3 SD1_DATA3_BOOT SD1_DATA3_WIFI SD2_ACT SD2_BT_EN SD2_CD SD2_CLK SD2_CLK_BOOT SD2_CLK_R SD2_CLK_WIFI SD2_CMD SD2_CMD_BOOT SD2_CMD_R SD2_CMD_WIFI SD2_DATA0 SD2_DATA0_BOOT SD2_DATA0_WIFI SD2_DATA1 SD2_DATA1_BOOT SD2_DATA1_WIFI SD2_DATA2 SD2_DATA2_BOOT SD2_DATA2_WIFI SD2_DATA3 SD2_DATA3_BOOT SD2_DATA3_WIFI SD2_WP SD2_WP_BOOT WIFI_IRQ XTALOSC_REF_CLK_32K
net class "[08] - CPU - SPI/UART": +3V3 CSPI1_CLK CSPI1_CLK_R CSPI1_CS0 CSPI1_CS1 CSPI1_MISO CSPI1_MOSI CSPI2_RXD CSPI2_TXC CSPI2_TXD CSPI2_TXFS CSPI3_CLK CSPI3_CLK_R CSPI3_CS0 CSPI3_CS2 CSPI3_MCU_ENn CSPI3_MISO CSPI3_MOSI NetU1_B20 NetU1_C19 NetU1_P20 UART1_CTS UART1_RTS UART1_RXD UART1_TXD UART2_RXD UART2_TXD UART3_CTS UART3_RTS UART3_RXD UART3_TXD UART5_RXD UART5_TXD
net class FLASH: FLASH_ALE FLASH_CLE FLASH_CS0 FLASH_CS1 FLASH_CS2 FLASH_CS3 FLASH_DATA0 FLASH_DATA1 FLASH_DATA2 FLASH_DATA3 FLASH_DATA4 FLASH_DATA5 FLASH_DATA6 FLASH_DATA7 FLASH_RB0 FLASH_RE_B FLASH_WE_B FLASH_WP_B NetU1_E1 NetU1_E2 NetU1_F1 NetU1_F2 NetU1_F24 NetU1_F25 NetU1_G24 NetU1_G25 NetU1_H22 NetU1_H23 NetU1_H25 NetU1_J21 NetU1_J22 NetU1_J25 NetU1_K21 NetU1_K22 NetU1_K23 NetU1_K24 NetU1_K25 NetU1_L20 NetU1_L21 NetU1_L22 NetU1_L23 NetU1_L24 NetU1_L25 NetU1_M20 NetU1_M21 NetU1_M22 NetU1_M23 NetU1_M24 NetU1_N22 NetU1_N23 NetU40_A1 NetU40_A2 NetU40_A9 NetU40_A10 NetU40_B1 NetU40_B9 NetU40_B10 NetU40_D6 NetU40_D7 NetU40_D8 NetU40_E3 NetU40_E4 NetU40_E5 NetU40_E6 NetU40_E7 NetU40_E8 NetU40_F3 NetU40_F4 NetU40_F5 NetU40_F6 NetU40_F8 NetU40_G3 NetU40_G6 NetU40_G7 NetU40_G8 NetU40_H3 NetU40_H5 NetU40_H6 NetU40_H7 NetU40_J3 NetU40_J5 NetU40_L1 NetU40_L2 NetU40_L9 NetU40_L10 NetU40_M1 NetU40_M2 NetU40_M9 NetU40_M10 NetU41_A1 NetU41_A2 NetU41_A9 NetU41_A10 NetU41_B1 NetU41_B9 NetU41_B10 NetU41_D6 NetU41_D7 NetU41_D8 NetU41_E3 NetU41_E4 NetU41_E5 NetU41_E6 NetU41_E7 NetU41_E8 NetU41_F3 NetU41_F4 NetU41_F5 NetU41_F6 NetU41_F8 NetU41_G3 NetU41_G6 NetU41_G7 NetU41_G8 NetU41_H3 NetU41_H5 NetU41_H6 NetU41_H7 NetU41_J3 NetU41_J5 NetU41_L1 NetU41_L2 NetU41_L9 NetU41_L10 NetU41_M1 NetU41_M2 NetU41_M9 NetU41_M10 NetU42_A1 NetU42_A2 NetU42_A9 NetU42_A10 NetU42_B1 NetU42_B9 NetU42_B10 NetU42_D6 NetU42_D7 NetU42_D8 NetU42_E3 NetU42_E4 NetU42_E5 NetU42_E6 NetU42_E7 NetU42_E8 NetU42_F3 NetU42_F4 NetU42_F5 NetU42_F6 NetU42_F8 NetU42_G3 NetU42_G6 NetU42_G7 NetU42_G8 NetU42_H3 NetU42_H5 NetU42_H6 NetU42_H7 NetU42_J3 NetU42_J5 NetU42_L1 NetU42_L2 NetU42_L9 NetU42_L10 NetU42_M1 NetU42_M2 NetU42_M9 NetU42_M10 NetU43_A1 NetU43_A2 NetU43_A9 NetU43_A10 NetU43_B1 NetU43_B9 NetU43_B10 NetU43_D6 NetU43_D7 NetU43_D8 NetU43_E3 NetU43_E4 NetU43_E5 NetU43_E6 NetU43_E7 NetU43_E8 NetU43_F3 NetU43_F4 NetU43_F5 NetU43_F6 NetU43_F8 NetU43_G3 NetU43_G6 NetU43_G7 NetU43_G8 NetU43_H3 NetU43_H5 NetU43_H6 NetU43_H7 NetU43_J3 NetU43_J5 NetU43_L1 NetU43_L2 NetU43_L9 NetU43_L10 NetU43_M1 NetU43_M2 NetU43_M9 NetU43_M10
net class "[05] - HDMI/LVDS": +1V1_VDDSOC_CAP +2V5 +3V3 +HDMI_VP +HDMI_VPH +LVDS_2V5 GND HDMI_CEC HDMI_CEC_IN HDMI_CLK_N HDMI_CLK_P HDMI_D0_N HDMI_D0_P HDMI_D1_N HDMI_D1_P HDMI_D2_N HDMI_D2_P HDMI_DDC HDMI_HPD HDMI_HPD_R HDMI_RESREF LCD_HDMI_CLK_N LCD_HDMI_CLK_P LCD_HDMI_D0_N LCD_HDMI_D0_P LCD_HDMI_D1_N LCD_HDMI_D1_P LCD_HDMI_D2_N LCD_HDMI_D2_P LVDS0_CLK_N LVDS0_CLK_P LVDS0_TX0_N LVDS0_TX0_P LVDS0_TX1_N LVDS0_TX1_P LVDS0_TX2_N LVDS0_TX2_P LVDS0_TX3_N LVDS0_TX3_P MX6_HDMI_CLK_N MX6_HDMI_CLK_P MX6_HDMI_D0_N MX6_HDMI_D0_P MX6_HDMI_D1_N MX6_HDMI_D1_P MX6_HDMI_D2_N MX6_HDMI_D2_P NetR30_2 NetR31_2 NetR33_2 NetR36_2 NetR587_1 NetU1_AA1 NetU1_AA2 NetU1_AA3 NetU1_AA4 NetU1_AB1 NetU1_AB2 NetU1_Y1 NetU1_Y2 NetU1_Y3 NetU1_Y4 OEn SEL
net class "[04] - CPU - PCIE /USB": +1V1_VDDSOC_CAP +2V5 +3V3 +5V +PCIE_VP +PCIE_VPH +PCIE_VPTX +VDDUSB GND PCIE_C_TX_N PCIE_C_TX_P PCIE_CLK_C_N PCIE_CLK_C_P PCIE_CLK_N PCIE_CLK_P PCIe_REXT PCIE_RSTn_R PCIE_RSTn_R_CPU PCIE_RSTn_R_CPU_ALT PCIE_RX_N PCIE_RX_P PCIE_TX_N PCIE_TX_P PCIE_WAKE PCIE_WDISn UART5_CTS UART5_RTS USB0_CHD USB0_ID USB0_ID_BUFF_EN USB0_N USB0_P USB1_N USB1_P USB_H1_OC USB_OC